# Altium PCB ctrl_boardV1.1.PcbDoc (part 1 of 3)
Units mil, origin at the board's own origin, x right, y up, seen from the top; angles counter-clockwise.
Board outline 8346.46 x 3346.46 mil, 2 copper layers (Top Layer, Bottom Layer); 255 components, 141 nets, 746 pads, 2286 vias.
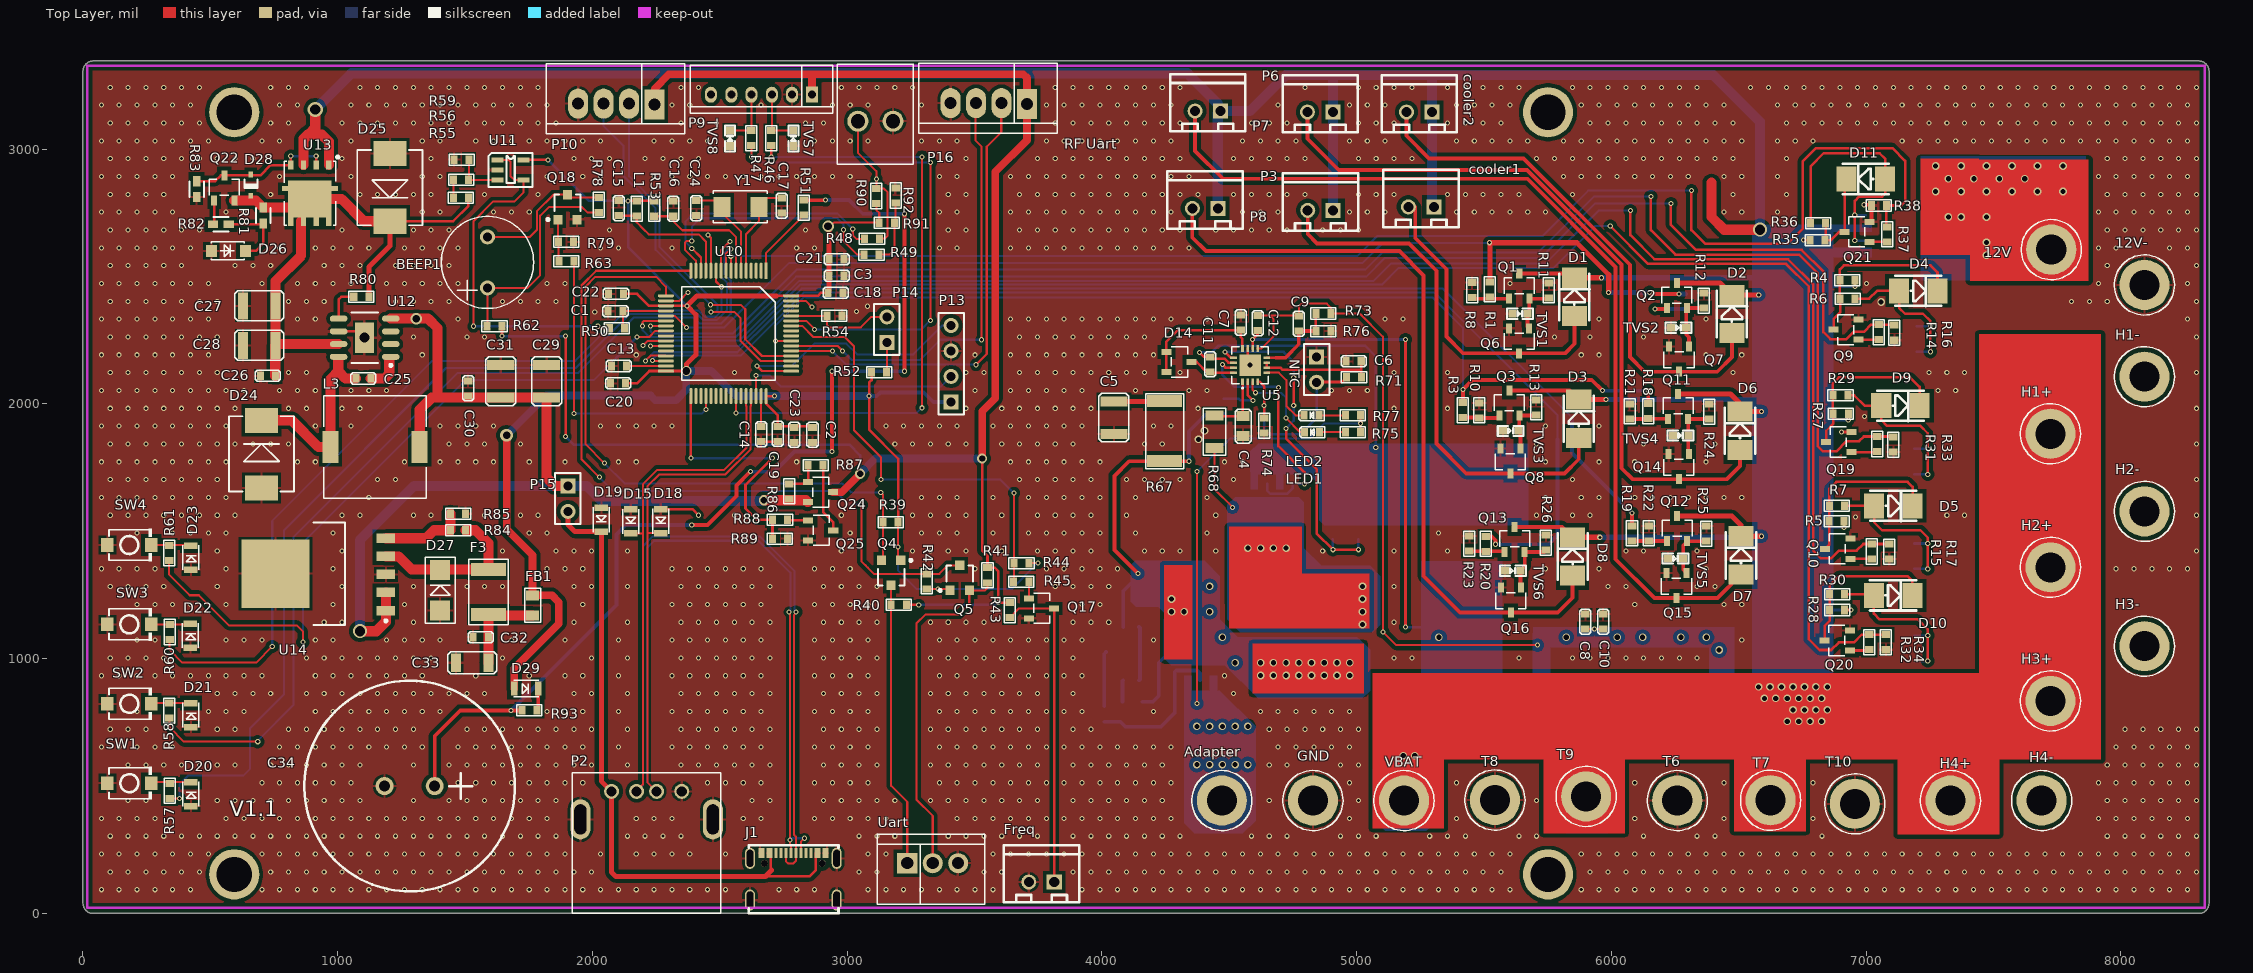
[diagram p0: Top Layer view]
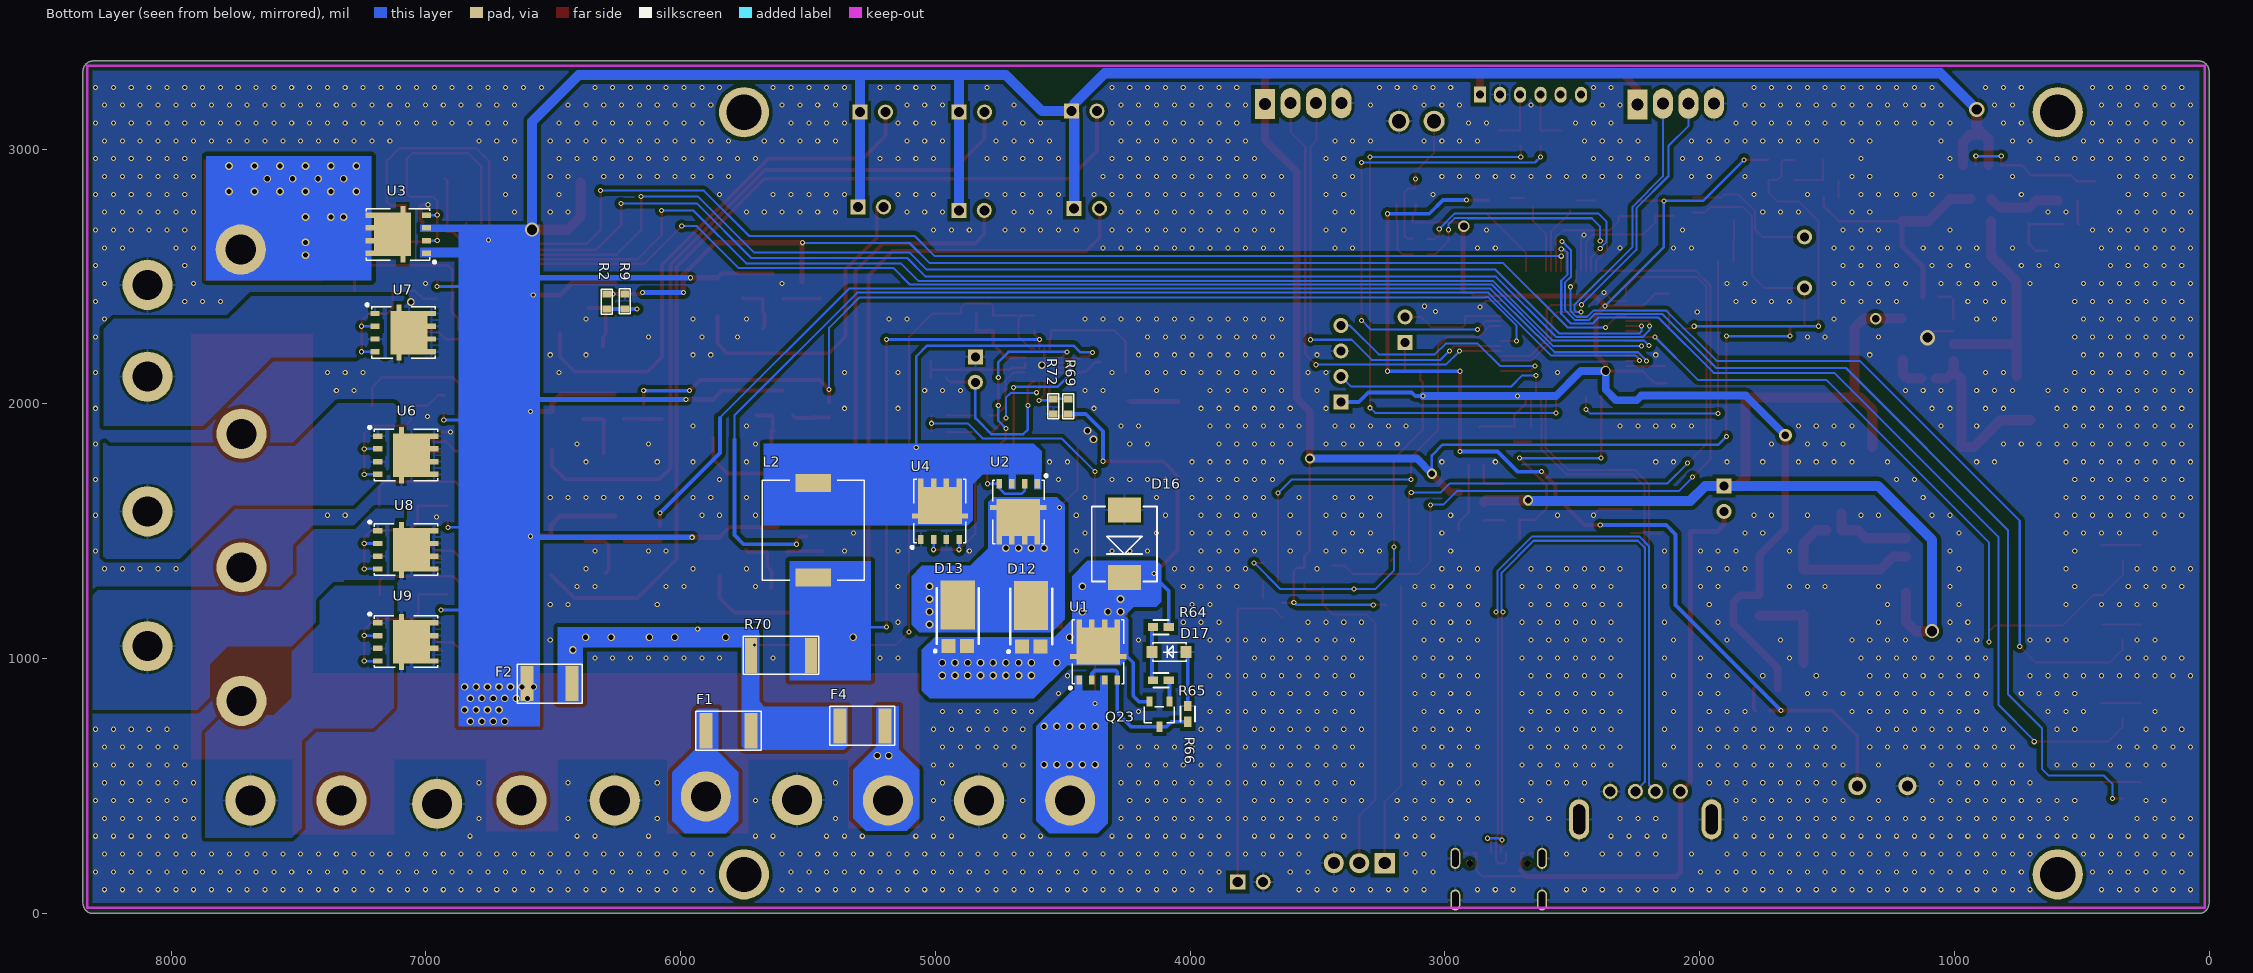
[diagram p1: Bottom Layer view, seen from below]

## Layer stack, top to bottom
Top Solder: solder mask 0.4, Solder Resist, Dk 3.5
Top Layer: signal copper 1.4
Dielectric1: dielectric 12.6, FR-4, Dk 4.8
Bottom Layer: signal copper 1.4
Bottom Solder: solder mask 0.4, Solder Resist, Dk 3.5

## Board outline
0,39.37 ccw(c39.37,39.37) 39.37,0 8307.09,0 ccw(c8307.09,39.37) 8346.46,39.37 8346.46,3307.09 ccw(c8307.09,3307.09) 8307.09,3346.46 39.37,3346.46 ccw(c39.37,3307.09) 0,3307.09

## Design rules (kind name [scope] priority, off if disabled: settings)
Clearance Clearance_2 [InNet('USB_P')] p1: gap=10 ignorepadtopadclearanceinfootprint=FALSE
Clearance Clearance_1 [InPolygon] p2: gap=15 ignorepadtopadclearanceinfootprint=FALSE
Clearance [All] p3: gap=5 ignorepadtopadclearanceinfootprint=FALSE
DiffPairsRouting [All] p1: maxlimit=50 minlimit=8 mostfreqgap=8 toplayer_minwidth=8 toplayer_maxwidth=15 toplayer_prefwidth=15 bottomlayer_minwidth=8 bottomlayer_maxwidth=15 bottomlayer_prefwidth=15 maxuncoupledlength=500
MinimumSolderMaskSliver [All] p1: minsoldermaskwidth=5
PolygonConnect PolygonConnect_1 [IsVia] p1: connectstyle=Direct reliefconductorwidth=10 reliefentries=4 polygonreliefangle="90 Angle" airgapwidth=10
PolygonConnect [All] p2: connectstyle=Relief reliefconductorwidth=10 reliefentries=4 polygonreliefangle="90 Angle" airgapwidth=10
RoutingVias [All] p1: holewidth=28 width=50 viastyle="Through Hole" minholewidth=12 minwidth=20 maxholewidth=28 maxwidth=50
SilkToSolderMaskClearance SilkscreenOverComponentPads [IsPad] p1: minsilkscreentomaskgap=1 clearancetoexposedcopper=TRUE
SolderMaskExpansion [All] p1: expansion=4 istentingtop=FALSE
Width [All] p1: maxlimit=200 minlimit=5 preferedwidth=10
27 further rules are at their usual default settings.

## Classes and differential pairs
component class charger: Adapter C4 C5 C6 C7 C8 C9 C10 C11 C12 D12 D13 D14 D16 D17 F1 F2 F4 GND L2 LED1 LED2 NTC Q23 R64 R65 R66 R67 R68 R69 R70 R71 R72 R73 R74 R75 R76 R77 T6 T7 T8 T9 T10 U1 U2 U4 U5 VBAT
component class charge_drv: 12V 12V- cooler1 cooler2 D1 D2 D3 D4 D5 D6 D7 D8 D9 D10 D11 H1+ H1- H2+ H2- H3+ H3- H4+ H4- P3 P6 P7 P8 Q1 Q2 Q3 Q6 Q7 Q8 Q9 Q10 Q11 Q12 Q13 Q14 Q15 Q16 Q19 Q20 Q21 R1 R2 R3 R4 R5 R6 R7 R8 R9 R10 R11 R12 R13 R14 R15 R16 R17 R18 R19 R20 R21 R22 R23 R24 R25 R26 R27 R28 R29 R30 R31 R32 R33 R34 R35 R36 R37 R38 TVS1 TVS2 TVS3 TVS4 TVS5 TVS6 U3 U6 U7 U8 U9
component class pt100: P16 R90 R91 R92
component class cpu: C1 C2 C3 C13 C14 C15 C16 C17 C18 C19 C20 C21 C22 C23 C24 C34 D20 D21 D22 D23 D29 FB1 L1 P13 P14 R48 R49 R50 R51 R52 R53 R54 R55 R56 R57 R58 R59 R60 R61 R93 SW1 SW2 SW3 SW4 U10 U11 Y1
component class drv: BEEP1 Q18 R62 R63 R78 R79
component class power: C25 C26 C27 C28 C29 C30 C31 C32 C33 D24 D25 D26 D27 D28 F3 L3 P15 Q22 Q24 Q25 R80 R81 R82 R83 R84 R85 R86 R87 R88 R89 U12 U13 U14
component class connector: D15 D18 D19 Freq J1 P2 P9 P10 Q4 Q5 Q17 R39 R40 R41 R42 R43 R44 R45 R46 R47 "RF Uart" TVS7 TVS8 Uart
differential pair USB: +USB_P -USB_N

## Components (designator, comment, footprint, x,y, rotation, side; value= is the part's Value field where it differs from the comment)
12V "12V" FIX-4.5 7727.15,2606.15 r0 top locked
12V- "12V-" FIX-4.5 8093.15,2467.15 r0 top locked
Adapter "12V" FIX-4.5 4471.15,443.15 r0 top locked
BEEP1 "BEEP-9.5X5.5" BEEP-9.5X5.5 1588,2556 r90 top
C1 "0.1uF/50V/X5R" 0603C 2061,2364 r0 top
C2 "1uF/50V/X5R" 0603C 2864,1849 r90 top
C3 "0.1uF/50V/X5R" 0603C 2988,2504 r180 top
C4 "1uF/25V" 0805C 4554.15,1952.15 r270 top
C5 "2.2uF/25V" 1210C 4047.15,2010.15 r270 top
C6 "1uF/25V" 0603C 4959.21,2167.15 r0 top
C7 "1uF/25V" 0603C 4545.15,2290.15 r90 top
C8 "10uF/25V" 0603C 5898.15,1175.15 r270 top
C9 "22pF" 0603C 4773.15,2286.15 r90 top
C10 "10uF/25V" 0603C 5968.15,1175.15 r270 top
C11 "0.1uF/25V" 0603C 4426.15,2185.15 r270 top
C12 "0.1uF/25V" 0603C 4611.15,2347.15 r270 top
C13 "0.1uF/50V/X5R" 0603C 2074,2149 r0 top
C14 "0.1uF/50V/X5R" 0603C 2662,1852 r90 top
C15 "0.1uF/50V/X5R" 0603C 2103,2798 r270 top
C16 "0.1uF/50V/X5R" 0603C 2318,2796 r270 top
C17 "12P 50V" 0603C 2743,2749 r90 top
C18 "1uF/50V/X5R" 0603C 2984,2437 r180 top
C19 "0.1uF/50V/X5R" 0603C 2727,1853 r90 top
C20 "1uF/50V/X5R" 0603C 2071,2081 r0 top
C21 "0.1uF/50V/X5R" 0603C 2988,2568 r180 top
C22 "1uF/50V/X5R" 0603C 2063,2432 r0 top
C23 "0.1uF/50V/X5R" 0603C 2793,1849 r90 top
C24 "12P 50V" 0603C 2408,2739 r90 top
C25 "0.01uF/50V" 0603C 1071,2100 r0 top
C26 "1uF/50V/X5R" 0603C 696,2110 r0 top
C27 "47uF/25V" 1210C 756,2385 r180 top
C28 "47uF/25V" 1210C 756,2230 r180 top
C29 "22uF/10V" 1210C 1820,2025 r90 top
C30 "0.1uF/50V/X5R" 0603C 1512,2032 r90 top
C31 "22uF/10V" 1210C 1640,2025 r90 top
C32 "0.1uF/50V/X5R" 0603C 1532,1085 r0 top value=22nF
C33 "47uF/25V" 1206C 1464,984 r0 top value=22nF
C34 "4.7F/2.7V" CAP-TH_BD21.0-P5.00-D0.8_CENXXX-CF 1282.43,500 r180 top
cooler1 "SIP-2" SIP-2A 5253,2774 r180 top
cooler2 "SIP-2" SIP-2A 5246,3146 r180 top
D1 "1N4007" DO-214-AC 5855.15,2420.15 r90 top
D2 "1N4007" DO-214-AC 6473.15,2353.15 r90 top
D3 "1N4007" DO-214-AC 5872.15,1942.15 r90 top
D4 "1N4007" DO-214-AC 7205.15,2444.15 r0 top
D5 "1N4007" DO-214-AC 7107.15,1600.15 r0 top
D6 "1N4007" DO-214-AC 6505.15,1895.15 r90 top
D7 "1N4007" DO-214-AC 6509.15,1405.15 r90 top
D8 "1N4007" DO-214-AC 5848.15,1401.15 r90 top
D9 "1N4007" DO-214-AC 7135.15,1993.15 r0 top
D10 "1N4007" DO-214-AC 7106.15,1248.15 r0 top
D11 "1N4007" DO-214-AC 6999.15,2883.15 r180 top
D12 "PDS1040-13" POWERDI-5_L5.4-W4.0-LS6.5-RD 4624.15,1128.15 r270 bottom
D13 "PDS1040-13" POWERDI-5_L5.4-W4.0-LS6.5-RD 4912.15,1130.15 r270 bottom
D14 "bat54c" sot23-3 4253.5,2204.15 r180 top
D15 "CESDB5V0D3" SOD323 2150,1586 r270 top
D16 "SMCJ28CA" SMC 4258.15,1584.15 r270 bottom
D17 "BZT52C27" sod123 4016.15,1026.15 r0 bottom value=BZT52C12S-7-F
D18 "CESDB5V0D3" SOD323 2269,1587 r270 top
D19 "CESDB5V0D3" SOD323 2035,1593 r270 top
D20 "CESDB5V0D3" SOD323 423.88,421.29 r90 top
D21 "CESDB5V0D3" SOD323 423.88,731.29 r90 top
D22 "CESDB5V0D3" SOD323 421.88,1043.29 r90 top
D23 "CESDB5V0D3" SOD323 423.88,1349.29 r90 top
D24 "SS54" SMC 701,1670 r90 top
D25 "SMCJ18CA" SMC 1205,2983 r270 top
D26 "BZT52C18" sod123 504,2601 r0 top value=BZT52C12S-7-F
D27 "5.1V" SMA 1402,1190 r90 top
D28 "BZT52C12S" DIOD-SOD323-2_V 659,2859 r270 top
D29 "1N4148WS" SOD323 1693,883 r0 top
F1 "1812L300/16GR" 1812-F 5901.15,717.15 r180 bottom
F2 "1812L300/16GR" 1812-F 6603.15,902.15 r180 bottom
F3 "1812L200/16GR" 1812-F 1592,1350 r270 top
F4 "1812L300/16GR" 1812-F 5198.15,736.15 r0 bottom
FB1 "JWWBW2012 M600HT" 0805CZ 1765,1170 r90 top
Freq "SIP-2" SIP-2A 3763,123 r180 top (schematic designator P4)
GND "GND" FIX-4.5 4828.71,443.15 r0 top locked
H1+ "12V" FIX-4.5 7724.15,1882.82 r180 top locked
H1- "12V" FIX-4.5 8093.15,2107.15 r270 top locked
H2+ "12V" FIX-4.5 7724.15,1358.48 r270 top locked
H2- "12V" FIX-4.5 8093.15,1578.15 r270 top locked
H3+ "12V" FIX-4.5 7724.15,834.15 r270 top locked
H3- "12V" FIX-4.5 8093.15,1049.15 r270 top locked
H4+ "12V" FIX-4.5 7331.59,443.15 r270 top locked
H4- "12V" FIX-4.5 7689.15,443.15 r270 top locked
J1 "TYPE C_16P" TYPEC_16P 2789,68 r0 top
L1 "MPZ1608D101BTA00" 0603R 2174,2737 r90 top
L2 "SMMS1040-3R3M" MSS1038 5479.15,1689.15 r270 bottom
L3 "CDRH105NP-100NC" CDRH105 946,1630 r90 top
LED1 "5V" 0603LED 4854.6,1889.37 r180 top
LED2 "5V" 0603LED 4852.6,1955.37 r180 top
NTC "NCP18XH103F03RB" HDR1X2 4843.15,2185.15 r270 top
P2 "Header 6" USB-A 2075.05,479.24 r0 top
P3 "SIP-2" SIP-2A 4858.15,2760.15 r180 top
P6 "SIP-2" SIP-2A 4857,3146 r180 top
P7 "SIP-2" SIP-2A 4416,3150 r180 top
P8 "SIP-2" SIP-2A 4405,2768 r180 top
P9 "Header 6" 6X2MMZ 2862,3214 r180 top
P10 "Header 4" 4X2.54MMZ 2244,3175 r180 top
P13 "Header 4" HDR1X4 3408,2008 r90 top
P14 "Header 2" HDR1X2 3156,2242 r90 top
P15 "Header 2" HDR1X2 1904,1678 r270 top
P16 "Header 2" KF250NH-3.5-2P 3180,3110 r180 top
Q1 "BC817-16" SOT23-3 5599.15,2413.15 r270 top
Q2 "BC817-16" SOT23-3 6218.15,2376.15 r270 top
Q3 "BC817-16" SOT23-3 5560.15,1954.15 r270 top
Q4 "AO3400" SOT-23 3173,1337 r180 top
Q5 "AO3400" SOT-23 3442,1317 r0 top
Q6 "AO3400" SOT23-3 5677.15,2297.15 r90 top
Q7 "AO3400" SOT23-3 6305.15,2225.15 r90 top
Q8 "AO3400" SOT23-3 5643.15,1825.15 r90 top
Q9 "S8050" SOT23-3 6971.15,2252.15 r0 top
Q10 "S8050" SOT23-3 6938.15,1392.15 r0 top
Q11 "BC817-16" SOT23-3 6223.15,1941.15 r270 top
Q12 "BC817-16" SOT23-3 6219.15,1461.15 r270 top
Q13 "BC817-16" SOT23-3 5581.15,1419.15 r270 top
Q14 "AO3400" SOT23-3 6304.15,1803.15 r90 top
Q15 "AO3400" SOT23-3 6295.15,1336.15 r90 top
Q16 "AO3400" SOT23-3 5645.15,1279.15 r90 top
Q17 "AO3400" SOT23-3 3713,1237 r180 top
Q18 "LH8050QLT1G" SOT-23 1902,2773 r0 top
Q19 "S8050" SOT23-3 6942.15,1811.15 r0 top
Q20 "S8050" SOT23-3 6936.15,1032.15 r0 top
Q21 "S8050" SOT23-3 7014.15,2636.15 r0 top
Q22 "MMBT4403-7-F" SOT23-3 515.26,2799 r270 top
Q23 "MMBT4403-7-F" SOT23-3 4081.15,831.15 r90 bottom
Q24 "SI2301" SOT23-3 2846,1693 r180 top
Q25 "S8050" SOT23-3 2847,1543 r180 top
R1 "100R" 0603R 5523.15,2420.15 r90 top
R2 "100R" 0603R 6290.15,2372.09 r90 bottom
R3 "100R" 0603R 5417.5,1946.47 r90 top
R4 "10K" 0603R 6897.15,2486.15 r0 top
R5 "10K" 0603R 6855.15,1540.15 r0 top
R6 "100" 0603R 6898.15,2413.15 r0 top
R7 "100" 0603R 6856.15,1600.15 r0 top
R8 "10K" 0603R 5453.15,2476.15 r270 top
R9 "10K" 0603R 6219.15,2432.21 r270 bottom
R10 "10K" 0603R 5481.5,2004.47 r270 top
R11 "10K" 0603R 5755.15,2416.15 r90 top
R12 "10K" 0603R 6363.15,2376.15 r90 top
R13 "10K" 0603R 5705.15,1957.15 r90 top
R14 "1K" 0603R 7050.15,2252.15 r90 top
R15 "1K" 0603R 7023.15,1391.15 r90 top
R16 "1K" 0603R 7111.15,2309.15 r270 top
R17 "1K" 0603R 7091.15,1450.15 r270 top
R18 "100R" 0603R 6145.15,1942.15 r90 top
R19 "100R" 0603R 6081.15,1462.15 r90 top
R20 "100R" 0603R 5507.15,1421.15 r90 top
R21 "10K" 0603R 6072.15,2000.15 r270 top
R22 "10K" 0603R 6147.15,1521.15 r270 top
R23 "10K" 0603R 5443.15,1481.15 r270 top
R24 "10K" 0603R 6384.15,1940.15 r90 top
R25 "10K" 0603R 6373.15,1461.15 r90 top
R26 "10K" 0603R 5743.15,1426.15 r90 top
R27 "10K" 0603R 6871.15,1962.15 r0 top
R28 "10K" 0603R 6857.15,1191.15 r0 top
R29 "100" 0603R 6870.15,2034.15 r0 top
R30 "100" 0603R 6857.15,1252.15 r0 top
R31 "1K" 0603R 7043.15,1813.15 r90 top
R32 "1K" 0603R 7012.15,1035.15 r90 top
R33 "1K" 0603R 7107.15,1870.15 r270 top
R34 "1K" 0603R 7078.15,1094.15 r270 top
R35 "10K" 0603R 6839.15,2643.15 r180 top
R36 "100" 0603R 6841.15,2710.15 r180 top
R37 "1K" 0603R 7083.15,2636.15 r90 top
R38 "10K" 0603R 7080.15,2779.15 r180 top
R39 "10K" 0603r 3141,1535 r0 top
R40 "10K" 0603r 3173,1211 r0 top
R41 "10K" 0603r 3551,1298 r90 top
R42 "10K" 0603r 3313,1274 r90 top
R43 "10K" 0603R 3638,1161 r90 top
R44 "1k/1%" 0603R 3714,1375 r180 top
R45 "1k/1%" 0603R 3713,1302 r180 top
R46 "100R" 0603R 2702,3073 r270 top
R47 "100R" 0603R 2624,3073 r270 top
R48 "49.9" 0603R 3127,2648 r180 top
R49 "49.9" 0603R 3125,2586 r180 top
R50 "49.9" 0603R 2066,2297 r0 top
R51 "0" 0603R 2830,2800 r270 top
R52 "10K" 0603R 3155,2125 r180 top
R53 "10K" 0603R 2243,2796 r270 top
R54 "10K" 0603R 2920,2346 r0 top
R55 "100K" 0603R 1513,2810 r180 top
R56 "100K" 0603R 1455,2880 r0 top
R57 "1k/1%" 0603R 339.88,510.29 r270 top value=1K
R58 "1k/1%" 0603R 338.88,825.77 r270 top value=1K
R59 "20K" 0603R 1516,2959 r180 top
R60 "1k/1%" 0603R 339.88,1134.29 r270 top value=1K
R61 "1k/1%" 0603R 337.88,1444.29 r270 top value=1K
R62 "51R" 0603R 1586,2305 r0 top
R63 "4.7K" 0603R 1927,2561 r180 top
R64 "100k" RESC1608X055N_0603 4115.15,1124.15 r180 bottom
R65 "1k/1%" RESC1608X055N_0603 4115.15,915.15 r180 bottom
R66 "10k" RESC1608X055N_0603 4009.15,783.15 r90 bottom
R67 "2/1W" 2512R 4246.15,1775.15 r90 top
R68 "10/1/4W" 1206R 4442.15,1827.15 r90 top
R69 "215k/1%" 0603R 4478.8,1960.71 r90 bottom
R70 "5mR" 2512R 5488.15,1013.15 r0 bottom
R71 "5.23K" 0603R 5019.21,2104.15 r180 top
R72 "11.8K/1%/25.5K/1%" 0603R 4538.15,2020.15 r270 bottom
R73 "698K/1%" 0603R 4899.15,2355.15 r180 top
R74 "30.1K" 0603R 4637.15,1944.15 r270 top
R75 "1k/1%" 0603R 4955.6,1889.37 r0 top
R76 "100K/1%" 0603R 4840.15,2285.8 r0 top
R77 "1k/1%" 0603R 4956.15,1956.15 r0 top
R78 "1k/1%" 0603R 2025,2811 r270 top
R79 "47K" 0603R 1867,2636 r0 top
R80 "100K" 0603R 1063,2420 r0 top
R81 "100k" RESC1608X055N_0603 707,2740 r90 top
R82 "1k/1%" RESC1608X055N_0603 541.36,2705 r180 top
R83 "10k" RESC1608X055N_0603 446,2843 r270 top
R84 "120K/1%" 0603R 1502,1504 r180 top
R85 "71.5K/1%" 0603R 1502,1569 r180 top
R86 "100K" 0603R 2772,1686 r270 top
R87 "1K" 0603R 2906,1759 r180 top
R88 "1K" 0603R 2766,1546 r180 top
R89 "10K" 0603R 2706,1471 r0 top
R90 "2K/1%" 0603R 3115,2846 r270 top
R91 "2K/1%" 0603R 3185,2712 r180 top
R92 "75" 0603R 3190,2848 r270 top
R93 "1k/1%" 0603R 1782,797 r180 top value=49.9
"RF Uart" "Header 4" 4X2.54MMZ 3706,3177 r180 top (schematic designator P12)
SW1 "SW PUSHBUTTON" SW-SMD_L3.9-W3.0-P4.45 181.88,511.29 r0 top
SW2 "SW PUSHBUTTON" SW-SMD_L3.9-W3.0-P4.45 181.88,822.95 r0 top
SW3 "SW PUSHBUTTON" SW-SMD_L3.9-W3.0-P4.45 181.88,1134.62 r0 top
SW4 "SW PUSHBUTTON" SW-SMD_L3.9-W3.0-P4.45 181.88,1446.29 r0 top
T6 "GND" FIX-4.5 6258.93,443.15 r180 top locked
T7 "12V" FIX-4.5 6625.15,444.15 r0 top
T8 "GND" FIX-4.5 5543.15,445.15 r0 top
T9 "12V" FIX-4.5 5901.15,459.15 r0 top
T10 "GND" FIX-4.5 6956,430 r0 top
TVS1 "ESD5Z5.0CT1G" SOD-523 5641.15,2354.15 r0 top
TVS2 "ESD5Z5.0CT1G" SOD-523 6264.15,2299.15 r0 top
TVS3 "ESD5Z5.0CT1G" SOD-523 5605.15,1894.15 r0 top
TVS4 "ESD5Z5.0CT1G" SOD-523 6272.15,1876.15 r0 top
TVS5 "ESD5Z5.0CT1G" SOD-523 6252.15,1393.15 r0 top
TVS6 "ESD5Z5.0CT1G" SOD-523 5613.15,1345.15 r0 top
TVS7 "ESD5Z5.0CT1G" SOD-523 2789,3043 r90 top
TVS8 "ESD5Z5.0CT1G" SOD-523 2540,3043 r90 top
U1 "Si7997DP" "PowerPAK SO-8" 4462.15,879.15 r90 bottom
U2 "Si7288DP" "PowerPAK SO-8" 4573.15,1724.15 r270 bottom
U3 "Si7997DP" "PowerPAK SO-8" 6961.15,2565.15 r0 bottom
U4 "Si7288DP" "PowerPAK SO-8" 5083.15,1431.15 r90 bottom
U5 "BQ24650RVAR" VQFN-16_L3.6-W3.6-P0.50-BL-EP 4582.15,2152.15 r0 top
U6 "Si7997DP" "PowerPAK SO-8" 7226.65,1899.96 r180 bottom
U7 "Si7997DP" "PowerPAK SO-8" 7236.65,2381.36 r180 bottom
U8 "Si7997DP" "PowerPAK SO-8" 7226.65,1528.55 r180 bottom
U9 "Si7997DP" "PowerPAK SO-8" 7226.65,1167.15 r180 bottom
U10 "STM32F405RGT6" LQFP-64 2682,2523 r270 top
U11 "AD8615AUJZ-R2" sot-23-5 1679,2919 r0 top
U12 "LM22676MRE-5.0/NOPB" SOP127P600X168_HS-8N 1106,2260 r180 top
U13 "Si7997DP" "PowerPAK SO-8" 992,2975 r270 top
U14 "MIC29302" TO228P1435X457-6N 1189,1189 r180 top
Uart "Header 3" 3X2.54MMZ 3236,197 r0 top (schematic designator P1)
VBAT "12V" FIX-4.5 5186.26,443.15 r180 top locked
Y1 "8MHz" CRAY_5032 2508,2774 r0 top
